# Altium PCB 28Pins_Project_V111_PCB.PcbDoc
Units mm, origin at the board's own origin, x right, y up, seen from the top; angles counter-clockwise.
Board outline 68.71 x 53.34 mm, 2 copper layers (Top Layer, Bottom Layer); 107 components, 66 nets, 325 pads, 25 vias.
Unrouted connection lines stored in the file: 146.
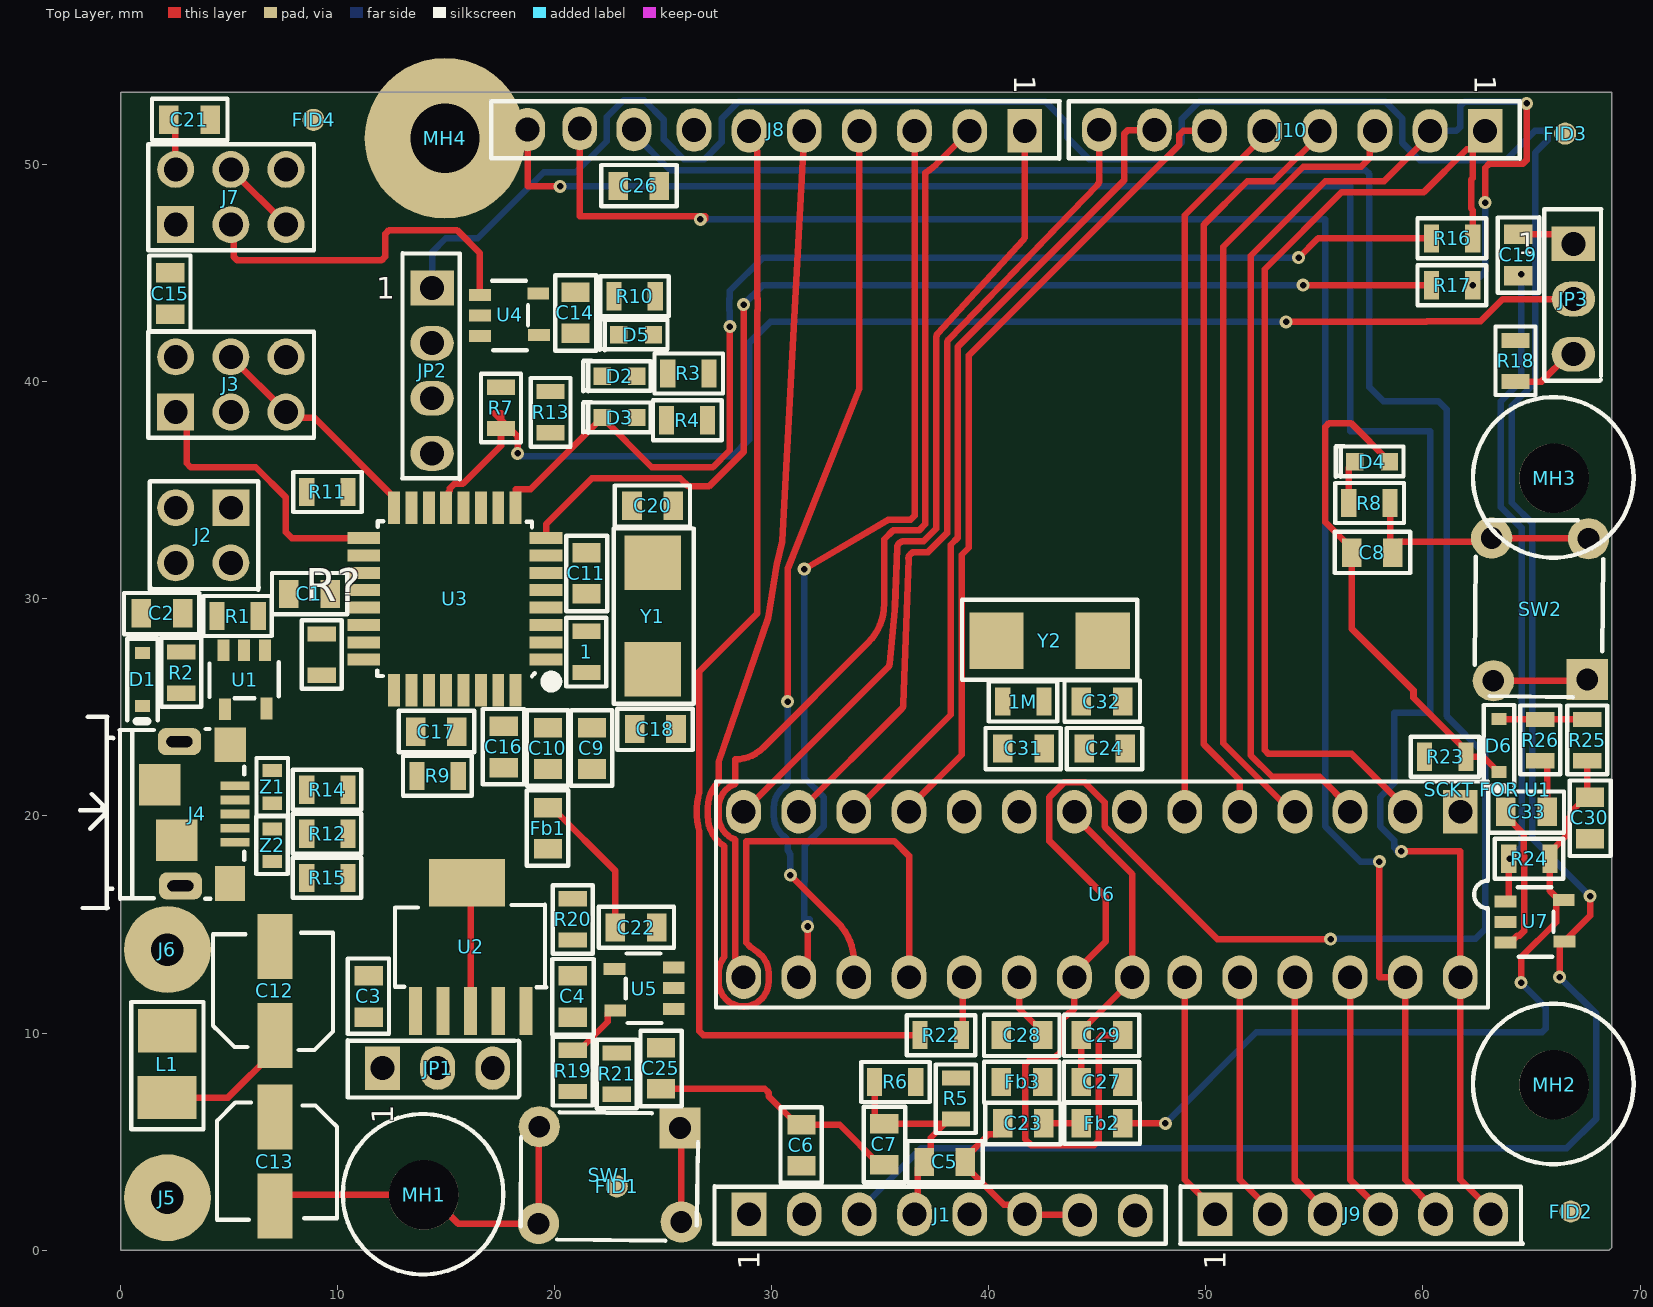
[diagram p0: Top Layer view]
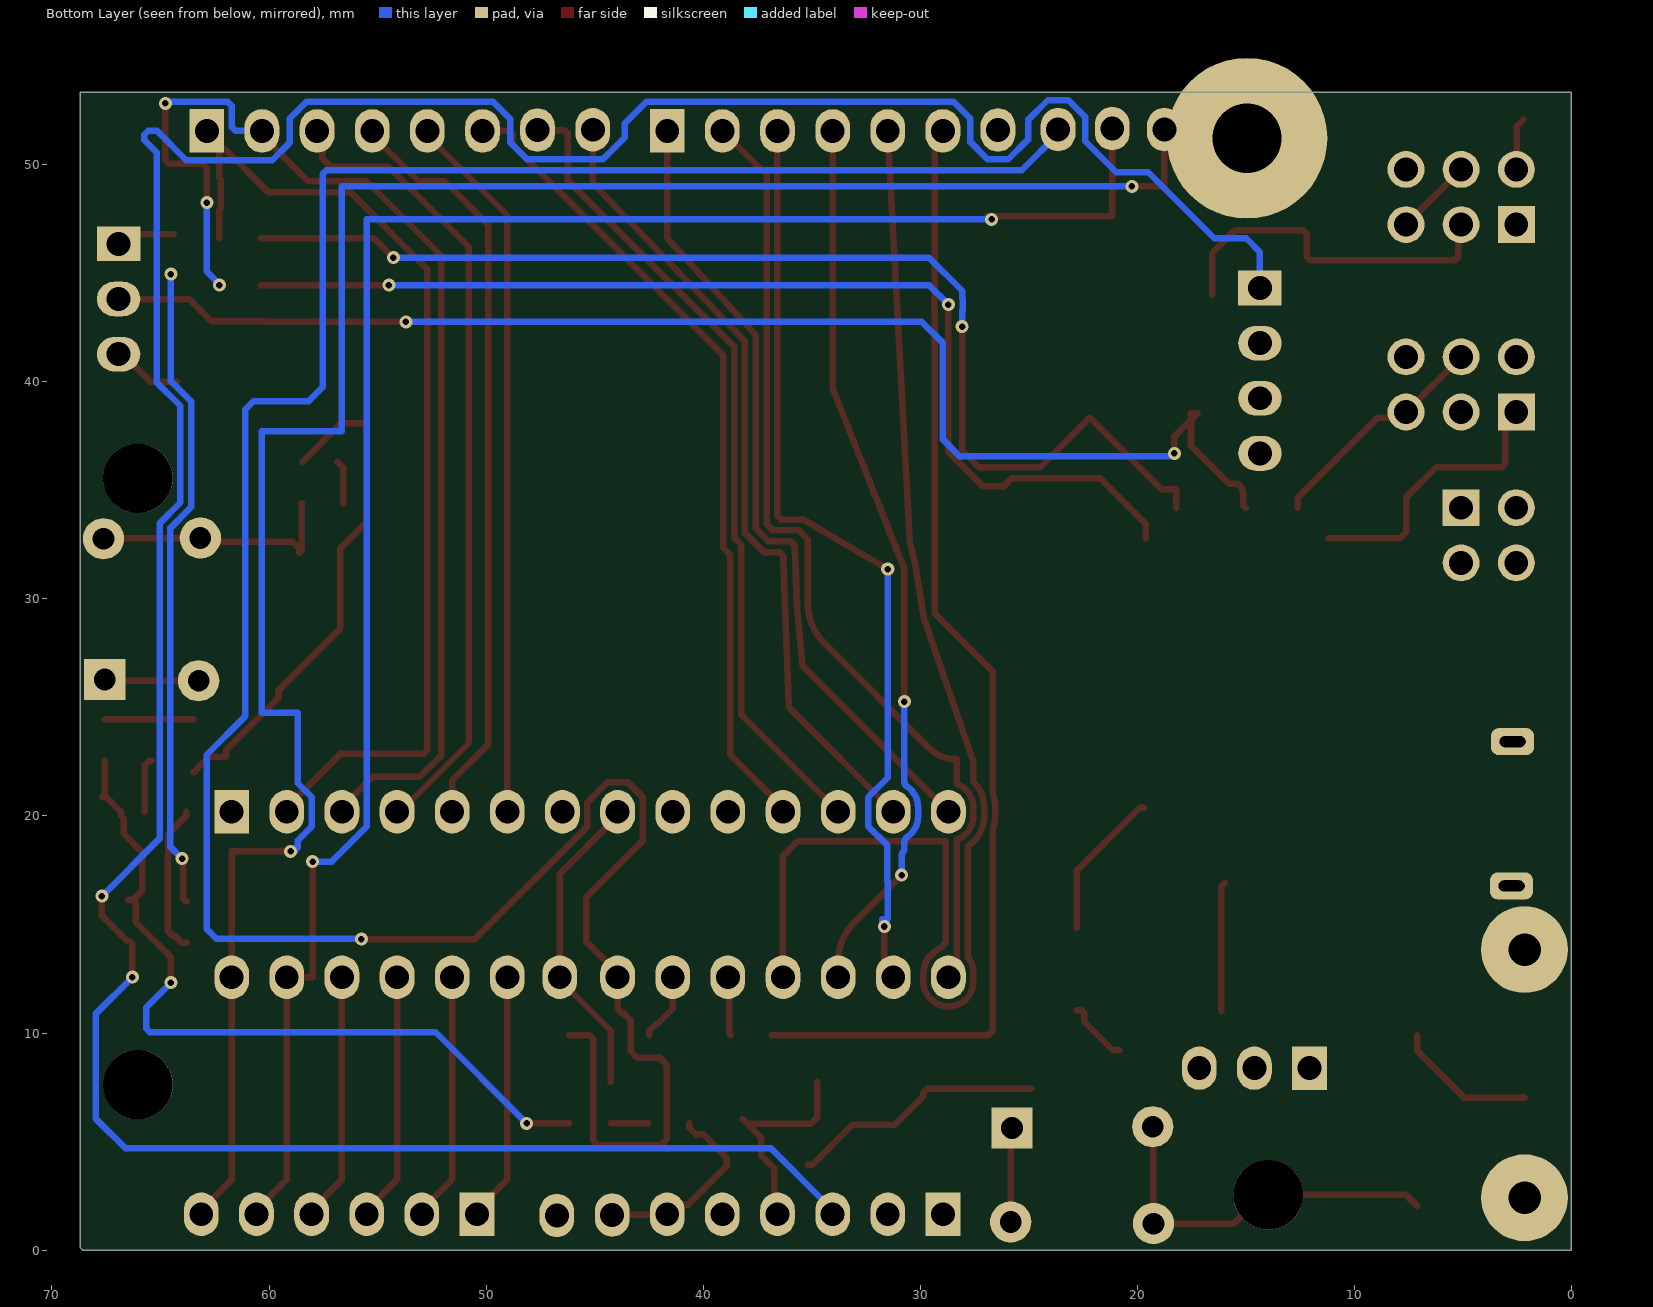
[diagram p1: Bottom Layer view, seen from below]

## Layer stack, top to bottom
Top Solder: solder mask 0.0102, Solder Resist, Dk 3.5
Top Layer: signal copper 0.0356
Dielectric 1: dielectric 0.32, FR-4, Dk 4.8
Bottom Layer: signal copper 0.0356
Bottom Solder: solder mask 0.0102, Solder Resist, Dk 3.5

## Board outline
0,0 68.58,0 68.707,0.127 68.707,53.34 0,53.34

## Design rules (kind name [scope] priority, off if disabled: settings)
Clearance [All] p1: gap=0.2 ignorepadtopadclearanceinfootprint=FALSE
ComponentClearance [All] p1: gap=0.254 collisioncheckmode=3 verticalgap=0.2 showdistances=FALSE
HoleSize [All] p1: absolutevalues=TRUE maxlimit=10 minlimit=0.2 maxpercent=80.000 minpercent=20.000
HoleToHoleClearance [All] p1: gap=0.3 allowstackedmicrovias=TRUE
MinimumSolderMaskSliver [All] p1: minsoldermaskwidth=0.1
PolygonConnect [All] p1: connectstyle=Relief reliefconductorwidth=0.254 reliefentries=4 polygonreliefangle="90 Angle" airgapwidth=0.254
RoutingVias [All] p1: holewidth=0.3 width=0.6 viastyle="Through Hole" minholewidth=0.3 minwidth=0.6 maxholewidth=0.3 maxwidth=0.6
SilkToSilkClearance [All] p1: silktosilkclearance=0.1
SilkToSolderMaskClearance [IsPad] p1: minsilkscreentomaskgap=0.1 clearancetoexposedcopper=TRUE
SolderMaskExpansion [All] p1: expansion=0.1 istentingtop=FALSE
Width [All] p1: maxlimit=0.5 minlimit=0.3 preferedwidth=0.3
24 further rules are at their usual default settings.

## Components (designator, comment, footprint, x,y, rotation, side; value= is the part's Value field where it differs from the comment)
1 "R?" R0805 21.463,27.559 r90 top
1M "R?" R0805 41.59,25.273 r0 top
C1 "100nF" "C0805 footprint" 8.702,30.226 r180 top
C2 "100nF" "C0805 footprint" 1.905,29.337 r0 top
C3 "10 µF/16 V" "C0805 footprint" 11.43,11.684 r270 top
C4 "10 µF/16 V" "C0805 footprint" 20.828,11.684 r90 top
C5 "100nF" "C0805 footprint" 37.973,4.064 r180 top
C6 "100nF" "C0805 footprint" 31.369,4.826 r270 top
C7 "100nF" "C0805 footprint" 35.179,4.877 r90 top
C8 "10 µF/16 V" "C0805 footprint" 57.658,32.131 r180 top
C9 "10 µF/16 V" "C0805 footprint" 21.717,23.114 r270 top
C10 "100nF" "C0805 footprint" 19.685,23.114 r270 top
C11 "100nF" "C0805 footprint" 21.463,31.181 r90 top
C12 "100u/10V" C_ALU_C_SIZE 7.112,11.938 r90 top
C13 "100u/10V" C_ALU_C_SIZE 7.112,4.082 r270 top
C14 "100nF" "C0805 footprint" 20.955,43.18 r90 top
C15 "100nF" "C0805 footprint" 2.286,44.069 r270 top
C16 "100nF" "C0805 footprint" 17.653,23.18 r270 top
C17 "1uf/25V" "C0805 footprint" 14.544,23.876 r180 top
C18 "18p" "C0805 footprint" 24.638,24.003 r0 top
C19 "100nF" "C0805 footprint" 64.389,45.847 r90 top
C20 "18p" "C0805 footprint" 24.511,34.29 r0 top
C21 "100nF" "C0805 footprint" 3.175,52.07 r180 top
C22 "100nF" "C0805 footprint" 23.749,14.859 r180 top
C23 "10 µF/16 V" "C0805 footprint" 41.59,5.842 r0 top
C24 "100nF" "C0805 footprint" 45.339,23.114 r0 top
C25 "100nF" "C0805 footprint" 24.892,8.382 r90 top
C26 "10 µF/16 V" "C0805 footprint" 23.876,49.022 r180 top
C27 "10 µF/16 V" "C0805 footprint" 45.212,7.747 r0 top
C28 "100nF" "C0805 footprint" 41.529,9.906 r0 top
C29 "100nF" "C0805 footprint" 45.212,9.906 r0 top
C30 "100nF" "C0805 footprint" 67.691,19.907 r90 top
C31 "18p" "C0805 footprint" 41.595,23.114 r0 top
C32 "18p" "C0805 footprint" 45.212,25.273 r180 top
C33 "100nF" "C0805 footprint" 64.77,20.193 r0 top
D1 "BAT54HT1G" SOD323 1.016,26.289 r90 top
D2 "Orange" LED_0603 22.987,40.259 r0 top
D3 "Orange" LED_0603 22.987,38.354 r0 top
D4 "Green" LED_0603 57.658,36.322 r0 top
D5 "Orange" LED_0603 23.749,42.164 r0 top
D6 "BAT54HT1G" SOD323 63.5,23.241 r90 top
Fb1 "MPZ2012S601AT000" "C0805 footprint" 19.685,19.431 r270 top
Fb2 "MPZ2012S601AT000" "C0805 footprint" 45.212,5.842 r180 top
Fb3 "MPZ2012S601AT000" "C0805 footprint" 41.529,7.747 r0 top
FID1 "FID_1MMC" FID_40x120D 22.86,2.935 r90 top
FID2 "FID_1MMC" FID_40x120D 66.802,1.778 r180 top
FID3 "FID_1MMC" FID_40x120D 66.548,51.435 r180 top
FID4 "FID_1MMC" FID_40x120D 8.89,52.07 r180 top
J1 "HDR FMALE 1x8 2.54mm" Hdr_Female_1x8_2.54mm 41.656,1.651 r90 top locked
J2 "HDR_2x2" HDR_2x2_2.54MM 5.08,34.2 r270 top
J3 "HDR 2x3" HDR_2x3_2.54MM 2.54,38.608 r90 top locked
J4 "10118193-0001LF" 10118193 3.537,20.1 r270 top locked
J5 "4MMx1.5MM" D_WITH_HOLE_4MMx1.5MM 2.917,1.044 r0 top
J6 "4MMx1.5MM" D_WITH_HOLE_4MMx1.5MM 2.917,12.474 r0 top
J7 "HDR 2x3" HDR_2x3_2.54MM 2.54,47.244 r90 top locked
J8 "Header pin 10 2.54mm" Hdr_Female_1x10_2.54mm 28.956,51.562 r270 top locked
J9 "HDR FMALE 1x6 2.54mm" Hdr_Female_1x6_2.54mm 63.119,1.651 r90 top locked
J10 "HDR FMALE 1x8 2.54mm" Hdr_Female_1x8_2.54mm 50.165,51.562 r270 top locked
JP1 "HDR_1X3" Hdr_Female_1x3_2.54mm 24.765,8.382 r90 top locked
JP2 "HDR_1x4" Hdr_1x4_2.54mm 14.351,31.623 r0 top locked
JP3 "HDR_1X3" Hdr_Female_1x3_2.54mm 66.929,33.655 r0 top locked
L1 "2u2/2A" C1210_IND 2.159,8.509 r90 top
MH1 "MH_7.4MMNC_3.2MMD" MH_7.4MMNC_3.2MMD 13.97,2.54 r0 top locked
MH2 "MH_7.4MMNC_3.2MMD" MH_7.4MMNC_3.2MMD 66.04,7.62 r0 top locked
MH3 "MH_7.4MMNC_3.2MMD" MH_7.4MMNC_3.2MMD 66.04,35.56 r0 top locked
MH4 "MH_7.4MMC_3.2MMD" MH_7.4MMD_3.2MMD 15.24,50.8 r0 top locked
R1 "10K" R0805 5.395,29.21 r0 top
R2 "22R" R0805 2.794,26.604 r270 top
R3 "560" R0805 26.162,40.386 r180 top
R4 "560" R0805 26.096,38.227 r180 top
R5 "0R" R0805 38.481,6.985 r90 top
R6 "0R" R0805 35.687,7.747 r180 top
R7 "100k" R0805 17.526,38.801 r90 top
R8 "560" R0805 57.531,34.417 r180 top
R9 "0R" R0805 14.605,21.844 r0 top
R10 "560" R0805 23.683,43.942 r0 top
R11 "22R" R0805 9.525,34.925 r180 top
R12 "22R" R0805 9.525,19.177 r0 top
R13 "10K" R0805 19.812,38.608 r90 top
R14 "22R" R0805 9.525,21.209 r0 top
R15 "0R" R0805 9.525,17.145 r0 top
R16 "1k" R0805 61.341,46.609 r0 top
R17 "1k" R0805 61.341,44.45 r0 top
R18 "1k" R0805 64.262,40.96 r270 top
R19 "10K" R0805 20.828,8.255 r90 top
R20 "560" R0805 20.828,15.24 r90 top
R21 "22R" R0805 22.86,8.128 r90 top
R22 "22R" R0805 37.785,9.906 r180 top
R23 "10K" R0805 61.026,22.733 r0 top
R24 "10K" R0805 64.897,18.034 r0 top
R25 "10K" R0805 67.564,23.495 r270 top
R26 "22R" R0805 65.405,23.495 r270 top
R? "10K" R0805 9.271,27.432 r270 top
"SCKT FOR U1" "28-Dip Socket" 28_DIP_7.62MM_SOCKET 62.992,21.209 r270 top locked
SW1 "1825910-6" 1825910-6 21.463,2.574 r0 top
SW2 "1825910-6" 1825910-6 64.517,30.6 r270 top
U1 "SN74AHC1G09DBVR" DBV_SOT_23_5 5.695,26.289 r270 top
U2 "TL1963A-33DCQR" "DCQ (R-PDSO-G6)" 16.129,13.97 r90 top
U3 "*ATMEGA16U2-AU" TQFP32 15.4,30 r180 top locked
U4 "SN74AHC1G09DBVR" DBV_SOT_23_5 17.907,43.053 r0 top
U5 "SN74AHC1G09DBVR" DBV_SOT_23_5 24.13,12.065 r180 top
U6 "ATMEGA328P-PU" 28PINS_DIP28 61.722,20.193 r270 top locked
U7 "SN74AHC1G09DBVR" DBV_SOT_23_5 65.151,15.113 r0 top
Y1 "ABM7-16.000MHZ-D2Y-T" ABM7_v1_1_BIG 24.511,29.21 r90 top
Y2 "ABM7-16.000MHZ-D2Y-T" ABM7_v1_1_BIG 42.799,28.067 r180 top
Z1 "CG0603MLC-05E" R0603 6.985,21.336 r270 top
Z2 "CG0603MLC-05E" R0603 6.985,18.657 r90 top

## Footprints (in the part's own frame and the unit in brackets; to place one, negate y for a bottom-side part, rotate by r counter-clockwise, add the part's x,y. Pads: shape width x height; smd on the part's side, far side on the other; paste and mask are expansions set on the pad)
28_DIP_7.62MM_SOCKET [mm]
  body extent -0.06,-35.42 10.04,0.08, height 4.2
28PINS_DIP28 [mm]
  rect 2x1.6 hole 1.1: 1(0,0)
  oval 2x1.6 hole 1.1: 2(0,-2.54) 3(0,-5.08) 4(0,-7.62) 5(0,-10.16) 6(0,-12.7) 7(0,-15.24) 8(0,-17.78) 9(0,-20.32) 10(0,-22.86) 11(0,-25.4) 12(0,-27.94) 13(0,-30.48) 14(0,-33.02) 15(7.62,-33.02) 16(7.62,-30.48) 17(7.62,-27.94) 18(7.62,-25.4) 19(7.62,-22.86) 20(7.62,-20.32) 21(7.62,-17.78) 22(7.62,-15.113) 23(7.62,-12.7) 24(7.62,-10.16) 25(7.62,-7.62) 26(7.62,-5.08) 27(7.62,-2.54) 28(7.62,0)
  silkscreen extent -1.4,-34.29 9.02,1.27, body extent -0.13,-34.73 7.75,1.21, height 7.55
1825910-6 [mm]
  rect 1.9x1.9 hole 1: 1(4.311,3.047)
  round 1.9 hole 1: 2(4.37,-1.276) 3(-2.173,3.111) 4(-2.21,-1.352)
  silkscreen extent -3.02,-2.14 5.14,3.78, body extent -2.78,-2.14 5.02,3.85, height 5
10118193 [mm]
  rect 0.4x1.35 smd: 1(-1.287,1.731) 2(-0.637,1.731) 3(0.013,1.731) 4(0.663,1.731) 5(1.313,1.731)
  rect 1.6x1.45 smd: 6(-3.187,1.506)
  rect 1.6x1.4 smd: 7(3.213,1.506)
  rrect60% 1.25x2 hole 0.5 slot 1.2 at 90 deg: 8(-3.322,-0.823) 9(3.322,-0.777)
  rect 1.9x1.9 smd: 10(-1.341,-1.731) 11(1.213,-0.944)
  silkscreen extent -4.49,-5.41 4.36,2.16, body extent -3.92,-3.61 3.94,2.17, height 2.88
ABM7_v1_1_BIG [mm]
  rect 2.5x2.6 smd: 1(-2.45,0) 2(2.45,0)
  silkscreen extent -4.03,-1.89 4.03,1.79, body extent -2.99,-1.78 3,1.72, height 1.41
"C0805 footprint" [mm]
  rect 0.9x1.3 smd: 1(-0.95,0) 2(0.95,0)
  silkscreen extent -1.75,-0.97 1.73,0.94, body extent -0.95,-0.72 1.05,0.73, height 1.21
C1210_IND [mm]
  rect 2x2.7 smd: 1(-1.479,0.017) 2(1.6,0)
  silkscreen extent -2.95,-1.66 2.92,1.67, body extent -2.11,-1.04 2.03,0.93, height 2.7
C_ALU_C_SIZE [mm]
  rect 3x1.6 smd: 1(-2.05,0) 2(2.05,0)
  silkscreen extent -2.72,-2.67 2.69,2.86, body extent -3.02,-2.57 2.88,2.73, height 5.41
D_WITH_HOLE_4MMx1.5MM [mm]
  round 4 hole 1.5: 1(-0.758,1.369)
DBV_SOT_23_5 [mm]
  rect 1x0.55 smd: 1(-1.35,0.95) 2(-1.35,0) 3(-1.35,-0.95) 4(1.373,-0.889) 5(1.334,1.021)
  silkscreen extent -0.79,-1.6 0.86,1.6, body extent -1.5,-1.47 1.52,1.58, height 1.46
"DCQ (R-PDSO-G6)" [mm]
  rect 2.2x0.6 smd: 1(-2.96,2.54) 2(-2.96,1.27) 3(-2.96,0) 4(-2.96,-1.27) 5(-2.96,-2.54)
  rect 2.2x3.5 smd: 6(2.956,0.164)
  silkscreen extent -1.86,-3.48 1.95,3.48, body extent -3.76,-3.27 3.5,3.28, height 1.79
FID_40x120D [mil]
  round 40 smd paste-40 mask+40: 1(0,0)
Hdr_1x4_2.54mm [mm]
  rect 2x1.6 hole 1.1: 1(0,12.7)
  oval 2x1.6 hole 1.1: 2(0,10.16) 3(0,7.62) 4(0,5.08)
  silkscreen extent -1.39,3.88 1.28,14.31, body extent -1.22,4.18 1.19,13.94, height 5.47
HDR_2x2_2.54MM [mm]
  rect 1.7x1.7 hole 1.1: 1(0,0)
  round 1.7 hole 1.1: 2(2.54,0) 3(0,-2.54) 4(2.54,-2.54)
  silkscreen extent -1.21,-3.73 3.78,1.28, body extent -1.29,-3.7 3.79,1.3, height 7.5
HDR_2x3_2.54MM [mm]
  rect 1.7x1.7 hole 1.1: 1(0,0)
  round 1.7 hole 1.1: 2(2.54,0) 3(0,-2.54) 4(0,-5.08) 4(2.54,-2.54) 6(2.54,-5.08)
  silkscreen extent -1.18,-6.37 3.7,1.27, body extent -1.3,-6.4 3.78,1.22, height 8.15
Hdr_Female_1x3_2.54mm [mm]
  rect 2x1.6 hole 1.1: 1(0,12.7)
  oval 2x1.6 hole 1.1: 2(0,10.16) 3(0,7.62)
  silkscreen extent -1.35,6.4 1.28,14.29, body extent -1.21,6.62 1.2,13.84, height 5.47
Hdr_Female_1x6_2.54mm [mm]
  rect 2x1.6 hole 1.1: 1(0,12.7)
  oval 2x1.6 hole 1.1: 2(0,10.16) 3(0,7.62) 4(0,5.08) 5(0,2.54) 6(0,0)
  silkscreen extent -1.36,-1.49 1.28,14.31, body extent -1.26,-1.42 1.24,14.22, height 8.51
Hdr_Female_1x8_2.54mm [mm]
  rect 2x1.6 hole 1.1: 1(0,12.7)
  oval 2x1.6 hole 1.1: 2(0,10.16) 3(0,7.62) 4(0,5.08) 5(0,2.54) 6(0,0) 7(-0.036,-2.535) 8(-0.053,-5.083)
  silkscreen extent -1.36,-6.49 1.28,14.31, body extent -1.34,-6.39 1.16,14.33, height 8.31
Hdr_Female_1x10_2.54mm [mm]
  rect 2x1.6 hole 1.1: 1(0,12.7)
  oval 2x1.6 hole 1.1: 2(0,10.16) 3(0,7.62) 4(0,5.08) 5(0,2.54) 6(0,0) 7(-0.042,-2.537) 8(-0.059,-5.308) 9(-0.103,-7.799) 10(-0.059,-10.203)
  silkscreen extent -1.36,-11.87 1.28,14.31, body extent -1.24,-11.7 1.26,14.1, height 8.31
LED_0603 [mm]
  rect 0.8x0.8 smd: 1(-0.8,0) 2(0.8,0)
  silkscreen extent -1.68,-0.71 1.44,0.71, body extent -0.97,-0.4 0.73,0.4, height 0.65
MH_7.4MMD_3.2MMD [mm]
  round 7.4 hole 3.2: 1(-0.294,0.418)
MH_7.4MMNC_3.2MMD [mm]
  round 3.2 hole 3.2 unplated: 1(0,0)
  silkscreen extent -3.73,-3.66 3.67,3.73
R0603 [mm]
  rect 0.6x0.9 smd: 1(-0.75,0) 2(0.75,0)
  silkscreen extent -1.33,-0.72 1.33,0.73, body extent -0.62,-0.41 0.98,0.43, height 0.78
R0805 [mm]
  rect 0.7x1.3 smd: 1(-0.95,0) 2(0.95,0)
  silkscreen extent -1.59,-0.92 1.57,0.92, body extent -1.02,-0.57 0.98,0.63, height 0.71
SOD323 [mil]
  rect 22x27 smd: 1(-48,0) 2(48,0)
  silkscreen extent -76,-28 74,28, body extent -49,-24 49,25, height 35
TQFP32 [mm]
  rect 1.5x0.55 smd mask+0.06: 1(-4.2,2.8) 2(-4.2,2) 3(-4.2,1.2) 4(-4.2,0.4) 5(-4.2,-0.4) 6(-4.2,-1.2) 7(-4.2,-2) 8(-4.2,-2.8) 17(4.2,-2.8) 18(4.2,-2) 19(4.2,-1.2) 20(4.2,-0.4) 21(4.2,0.4) 22(4.2,1.2) 23(4.2,2) 24(4.2,2.8)
  rect 0.55x1.5 smd mask+0.06: 9(-2.8,-4.2) 10(-2,-4.2) 11(-1.2,-4.2) 12(-0.4,-4.2) 13(0.4,-4.2) 14(1.2,-4.2) 15(2,-4.2) 16(2.8,-4.2) 25(2.8,4.2) 26(2,4.2) 27(1.2,4.2) 28(0.4,4.2) 29(-0.4,4.2) 30(-1.2,4.2) 31(-2,4.2) 32(-2.8,4.2)
  silkscreen extent -4.7,-3.58 3.58,4.06, body extent -4.57,-4.6 4.63,4.6, height 1.2

## Part data
1 1M: "Res Thick Film 0805 1M Ohm 1% 0.125W(1/8W) ±100ppm/C Pad SMD T/R", Case/Package=0805, Manufacturer="Yageo Phycomp", Manufacturer Part Number=RC0805FR-071ML, Max Operating Temperature=155°C, Min Operating Temperature=-55°C, Power Rating=125mW, Resistance=1MR, Supplier Part Number 1=311-1.00MCRCT-ND, Temperature Coefficient=100ppm/°C, Tolerance=1%, Voltage Rating (DC)=150V, Category="Chip SMD Resistors", ComponentLink1Description=http://www.mouser.com/ds/2/447/Yageo_08112016_RC0805-968729.pdf?src-supplier=Mouser, ComponentLink1URL=http://www.mouser.com/ds/2/447/Yageo_08112016_RC0805-968729.pdf?src-supplier=Mouser, ComponentLink2Description=http://www.farnell.com/datasheets/2167052.pdf?src-supplier=Farnell, ComponentLink2URL=http://www.farnell.com/datasheets/2167052.pdf?src-supplier=Farnell, ComponentLink3Description=http://www.yageo.com/documents/recent/PYu-RC_Group_51_RoHS_L_10.pdf?src-supplier=Digi-Key, ComponentLink3URL=http://www.yageo.com/documents/recent/PYu-RC_Group_51_RoHS_L_10.pdf?src-supplier=Digi-Key, ComponentLink4Description=http://www.farnell.com/datasheets/2167052.pdf?src-supplier=Newark, ComponentLink4URL=http://www.farnell.com/datasheets/2167052.pdf?src-supplier=Newark, ComponentLink5Description=http://www.farnell.com/datasheets/444164.pdf?src-supplier=Element14, ComponentLink5URL=http://www.farnell.com/datasheets/444164.pdf?src-supplier=Element14, Depth=1.25mm, Height=0.5mm, Lead Free="Lead Free", Length=2mm, Mount="Surface Mount", Number of Pins=2, Packaging="Cut Tape", Pricing 1="1=0.10000, 10=0.04200, 100=0.01690, 1000=0.00759, 2500=0.00659 (USD)", REACH SVHC="No SVHC", RoHS=Yes, Stock 1=588555, Supplier 1=Digi-Key, Width=1.25mm
C1 C2 C5 C6 C7 C10 C11 C14 C15 C16 C19 C21 C22 C24 C25 C28 C29 C30 C33: library part C2012X7R1H104K085AA, "TDK - C2012X7R1H104K085AA - SMD Multilayer Ceramic Capacitor, 0.1 µF, 50 V, 0805 [2012 Metric], ± 10%, X7R, C Series", Case Code (Imperial)=0805, Case Code (Metric)=2012, Dielectric=X7R, Dielectric Material=Ceramic, Manufacturer=TDK, Max Operating Temperature=125°C, Min Operating Temperature=-55°C, Package Quantity=1, Supplier Part Number 1=445-7534-1-ND, Tolerance=10%, Voltage=50V, Capacitance=100nF, Case/Package=0805, Category="Ceramic Capacitors", ComponentLink1Description=https://datasheet.ciiva.com/11788/0900766b80c1bb00-11788128.pdf?src-supplier=RSComponents, ComponentLink1URL=https://datasheet.ciiva.com/11788/0900766b80c1bb00-11788128.pdf?src-supplier=RSComponents, ComponentLink2Description=https://datasheet.ciiva.com/6250/tdkmlcccaprange-6250821.pdf?src-supplier=Digi-Key, ComponentLink2URL=https://datasheet.ciiva.com/6250/tdkmlcccaprange-6250821.pdf?src-supplier=Digi-Key, ComponentLink3Description=https://datasheet.ciiva.com/6250/tdkmlcccaprange-6250824.pdf?src-supplier=Digi-Key, ComponentLink3URL=https://datasheet.ciiva.com/6250/tdkmlcccaprange-6250824.pdf?src-supplier=Digi-Key, ComponentLink4Description=https://datasheet.ciiva.com/24191/e412-c-24191447.pdf?src-supplier=Future+Electronics, ComponentLink4URL=https://datasheet.ciiva.com/24191/e412-c-24191447.pdf?src-supplier=Future+Electronics, ComponentLink5Description=https://datasheet.ciiva.com/23803/1796654-23803035.pdf?src-supplier=Newark, ComponentLink5URL=https://datasheet.ciiva.com/23803/1796654-23803035.pdf?src-supplier=Newark, ComponentLink6Description=https://datasheet.ciiva.com/28602/1571323-28602204.pdf?src-supplier=Element14, ComponentLink6URL=https://datasheet.ciiva.com/28602/1571323-28602204.pdf?src-supplier=Element14, Construction=Flat, Depth=1.25mm, Height=0.85mm, Lead Free="Lead Free", Length=2mm, Manufacturer Part Number=C2012X7R1H104K085AA, Mount="Surface Mount", Number of Pins=2, Packaging="Tape and Reel", Pricing 1="1=0.15000, 10=0.10900, 50=0.06160, 100=0.05100, 500=0.03578, 1000=0.02962 (USD)", Radiation Hardening=No, REACH SVHC="No SVHC", Resistor Type=Ceramic, RoHS=Yes, RoHS Compliant=Yes, Series=C, Stock 1=381078, Supplier 1=Digi-Key, Termination=SMD/SMT, Thickness=0.037inch, Voltage Rating=50V, Voltage Rating (DC)=50V, Weight=0.000194oz, Width=0.049inch
C3 C4 C8 C9 C23 C26 C27: library part C2012X5R1C106M085AC, "TDK - C2012X5R1C106M085AC - SMD Multilayer Ceramic Capacitor, 10 µF, 16 V, 0805 [2012 Metric], ± 20%, X5R, C Series TDK", Capacitance=10uF, Case Code (Imperial)=0805, Case Code (Metric)=2012, Dielectric=X5R, Dielectric Material=Ceramic, Manufacturer=TDK, Max Operating Temperature=85°C, Min Operating Temperature=-55°C, Package Quantity=4000, Supplier Part Number 1=445-7645-1-ND, Tolerance=20%, Voltage=16V, Case/Package=0805, Category="Ceramic Capacitors", ComponentLink1Description=https://datasheet.ciiva.com/24218/c2012x5r1c106m085ac-265002-24218340.pdf?src-supplier=Mouser, ComponentLink1URL=https://datasheet.ciiva.com/24218/c2012x5r1c106m085ac-265002-24218340.pdf?src-supplier=Mouser, ComponentLink2Description=https://datasheet.ciiva.com/11788/0900766b80c1bb00-11788108.pdf?src-supplier=RSComponents, ComponentLink2URL=https://datasheet.ciiva.com/11788/0900766b80c1bb00-11788108.pdf?src-supplier=RSComponents, ComponentLink3Description=https://datasheet.ciiva.com/6290/tdkmlcccaprange-6290487.pdf?src-supplier=Digi-Key, ComponentLink3URL=https://datasheet.ciiva.com/6290/tdkmlcccaprange-6290487.pdf?src-supplier=Digi-Key, ComponentLink4Description=https://datasheet.ciiva.com/6290/tdkmlcccaprange-6290485.pdf?src-supplier=Digi-Key, ComponentLink4URL=https://datasheet.ciiva.com/6290/tdkmlcccaprange-6290485.pdf?src-supplier=Digi-Key, ComponentLink5Description=https://datasheet.ciiva.com/16449/e412-c-16449591.pdf?src-supplier=Future+Electronics, ComponentLink5URL=https://datasheet.ciiva.com/16449/e412-c-16449591.pdf?src-supplier=Future+Electronics, ComponentLink6Description=https://datasheet.ciiva.com/22725/1913358-22725557.pdf?src-supplier=Element14, ComponentLink6URL=https://datasheet.ciiva.com/22725/1913358-22725557.pdf?src-supplier=Element14, ComponentLink7Description=https://datasheet.ciiva.com/23803/1796654-23803021.pdf?src-supplier=Newark, ComponentLink7URL=https://datasheet.ciiva.com/23803/1796654-23803021.pdf?src-supplier=Newark, Construction=Flat, Depth=1.25mm, Height=0.85mm, Lead Free="Lead Free", Length=2mm, Manufacturer Part Number=C2012X5R1C106M085AC, Mount="Surface Mount", Number of Pins=2, Packaging="Tape and Reel", Pricing 1="1=0.29000, 10=0.19800, 50=0.11900, 100=0.10050, 500=0.06876, 1000=0.06084 (USD)", REACH SVHC="No SVHC", Resistor Type=Ceramic, RoHS=Yes, Series=C, Stock 1=117974, Supplier 1=Digi-Key, Termination=SMD/SMT, Thickness=0.037inch, Voltage Rating=16V, Voltage Rating (DC)=16V, Weight=0.000194oz, Width=0.049inch
C12 C13: library part EEE-1AA101WR, "Cap Aluminum 100uF 10V 20% (5 X 5.4mm) SMD 50mA 1000 hr 85°C T/R", Capacitance=100uF, Case/Package=Radial, Manufacturer=Panasonic, Max Operating Temperature=85°C, Min Operating Temperature=-40°C, Package Quantity=1, Ripple Current=50mA, Supplier Part Number 1=1763738, Tolerance=20%, Voltage Rating=10V, Category="Aluminum Electrolytic Capacitors", ComponentLink1Description=https://datasheet.ciiva.com/26945/getdatasheetpartid-169213-26945071.pdf?src-supplier=Verical, ComponentLink1URL=https://datasheet.ciiva.com/26945/getdatasheetpartid-169213-26945071.pdf?src-supplier=Verical, ComponentLink2Description=https://datasheet.ciiva.com/24027/aba0000ce2-40801-24027541.pdf?src-supplier=Mouser, ComponentLink2URL=https://datasheet.ciiva.com/24027/aba0000ce2-40801-24027541.pdf?src-supplier=Mouser, ComponentLink3Description=https://datasheet.ciiva.com/14598/70255710-14598233.pdf?src-supplier=Allied+Electronics, ComponentLink3URL=https://datasheet.ciiva.com/14598/70255710-14598233.pdf?src-supplier=Allied+Electronics, ComponentLink4Description=https://datasheet.ciiva.com/14605/70255710-14605689.pdf?src-supplier=Allied+Electronics, ComponentLink4URL=https://datasheet.ciiva.com/14605/70255710-14605689.pdf?src-supplier=Allied+Electronics, ComponentLink5Description=https://datasheet.ciiva.com/11673/aba0000ce2-11673882.pdf?src-supplier=Avnet, ComponentLink5URL=https://datasheet.ciiva.com/11673/aba0000ce2-11673882.pdf?src-supplier=Avnet, ComponentLink6Description=https://datasheet.ciiva.com/16427/aba0000ce2-16427544.pdf?src-supplier=Future+Electronics, ComponentLink6URL=https://datasheet.ciiva.com/16427/aba0000ce2-16427544.pdf?src-supplier=Future+Electronics, ComponentLink7Description=https://datasheet.ciiva.com/2983/aba0000ce2-2983906.pdf?src-supplier=Avnet, ComponentLink7URL=https://datasheet.ciiva.com/2983/aba0000ce2-2983906.pdf?src-supplier=Avnet, ComponentLink8Description=https://datasheet.ciiva.com/30075/11aba0000ce2-30075303.pdf?src-supplier=Onlinecomponents.com, ComponentLink8URL=https://datasheet.ciiva.com/30075/11aba0000ce2-30075303.pdf?src-supplier=Onlinecomponents.com, Construction=Cylindrical, Contact Plating=Tin, Diameter=5mm, Height=5.4mm, Height - Seated (Max)=0.213inch, Lead Free="Lead Free", Length=5.5mm, Life (Hours)=1000Hour, Manufacturer Part Number=EEE-1AA101WR, Mount="Surface Mount,PCB", Packaging="Tape and Reel", Pricing 1="1000=0.08000, 3000=0.07600 (USD)", Radiation Hardening=No, REACH SVHC=Unknown, Ripple Current (AC)=50mA, RoHS=Yes, RoHS Compliant=Yes, Series=S, Stock 1=1, Supplier 1=RSComponents, Termination=SMD/SMT, Voltage Rating (DC)=10V
C17: library part C2012X5R1E105K125AA, "TDK - C2012X5R1E105K125AA - SMD Multilayer Ceramic Capacitor, 1 µF, 25 V, 0805 [2012 Metric], ± 10%, X5R, C Series", Capacitance=1uF, Case Code (Imperial)=0805, Case Code (Metric)=2012, Dielectric=X5R, Dielectric Material=Ceramic, Manufacturer=TDK, Max Operating Temperature=85°C, Min Operating Temperature=-55°C, Package Quantity=2000, Supplier Part Number 1=445-1419-1-ND, Tolerance=10%, Voltage=25V, Case/Package=0805, Category="Ceramic Capacitors", ComponentLink1Description=https://datasheet.ciiva.com/11787/0900766b80c1bb00-11787608.pdf?src-supplier=RSComponents, ComponentLink1URL=https://datasheet.ciiva.com/11787/0900766b80c1bb00-11787608.pdf?src-supplier=RSComponents, ComponentLink2Description=https://datasheet.ciiva.com/28602/1744655-28602171.pdf?src-supplier=Element14, ComponentLink2URL=https://datasheet.ciiva.com/28602/1744655-28602171.pdf?src-supplier=Element14, ComponentLink3Description=https://datasheet.ciiva.com/15192/getdatasheetpartid-726707-15192140.pdf?src-supplier=Verical, ComponentLink3URL=https://datasheet.ciiva.com/15192/getdatasheetpartid-726707-15192140.pdf?src-supplier=Verical, ComponentLink4Description=https://datasheet.ciiva.com/16449/e412-c-16449595.pdf?src-supplier=Future+Electronics, ComponentLink4URL=https://datasheet.ciiva.com/16449/e412-c-16449595.pdf?src-supplier=Future+Electronics, Construction=Flat, Depth=1.25mm, Height=1.25mm, Lead Free="Lead Free", Length=2mm, Manufacturer Part Number=C2012X5R1E105K125AA, Mount="Surface Mount", Number of Pins=2, Packaging="Tape and Reel", Pricing 1="1=0.23000, 10=0.15800, 50=0.09500, 100=0.08030, 500=0.05492, 1000=0.04858 (USD)", Radiation Hardening=No, REACH SVHC="No SVHC", Resistor Type=Ceramic, RoHS=Yes, RoHS Compliant=Yes, Series=C, Stock 1=297, Supplier 1=Digi-Key, Termination=SMD/SMT, Thickness=0.057inch, Voltage Rating=25V, Voltage Rating (DC)=25V, Weight=0.000194oz, Width=0.049inch
C18 C20 C31 C32: library part C0805C180J5GACTU, "Cap Ceramic 18pF 50V C0G 5% SMD 0805 125C Paper T/R", Capacitance=18pF, Case Code (Imperial)=0805, Case Code (Metric)=2012, Dielectric=C0G, Dielectric Material=Ceramic, Manufacturer=KEMET, Max Operating Temperature=125°C, Min Operating Temperature=-55°C, Package Quantity=1, Supplier Part Number 1=399-C0805C180J5GAC7800CT-ND, Temperature Coefficient=30ppm/°C, Tolerance=5%, Voltage=50V, Case/Package=0805, Category="Ceramic Capacitors", ComponentLink1Description=https://datasheet.ciiva.com/22746/1769375-22746770.pdf?src-supplier=Element14, ComponentLink1URL=https://datasheet.ciiva.com/22746/1769375-22746770.pdf?src-supplier=Element14, ComponentLink2Description=https://datasheet.ciiva.com/26923/getdatasheetpartid-759702-26923980.pdf?src-supplier=Verical, ComponentLink2URL=https://datasheet.ciiva.com/26923/getdatasheetpartid-759702-26923980.pdf?src-supplier=Verical, ComponentLink3Description=https://datasheet.ciiva.com/26847/getdatasheetpartid-385668-26847862.pdf?src-supplier=Verical, ComponentLink3URL=https://datasheet.ciiva.com/26847/getdatasheetpartid-385668-26847862.pdf?src-supplier=Verical, Construction=Flat, Contact Material=Tin, Contact Plating=Tin,Matte, Depth=1.25mm, Dissipation Factor=0.1%, Height=0.78mm, Lead Free="Lead Free", Lead Pitch=0.75mm, Length=2mm, Manufacturer Part Number=C0805C180J5GACTU, Mount="Surface Mount,PCB", Number of Pins=2, Packaging="Tape and Reel", Pricing 1="1=0.12000, 10=0.08600, 50=0.04900, 100=0.04070, 500=0.02852, 1000=0.02361 (USD)", Radiation Hardening=No, REACH SVHC="No SVHC", RoHS=Yes, RoHS Compliant=Yes, Series=C, Stock 1=5035, Supplier 1=Digi-Key, Termination=SMD/SMT, Thickness=0.035inch, Voltage Rating=50V, Voltage Rating (DC)=50V, Width=1.2mm
D1 D6: library part "BAT54HT1G (2)", "Small Signal Schottky Diode, Single, 30 V, 200 Ma, 800 Mv, 600 Ma, 150 C", Average Rectified Current=200mA, Capacitance=10pF, Forward Voltage=800mV, Manufacturer="ON Semiconductor / Fairchild", Max Forward Surge Current (Ifsm)=600mA, Max Operating Temperature=150°C, Max Repetitive Reverse Voltage (Vrrm)=30V, Max Reverse Current=2uA, Min Operating Temperature=-55°C, Package Quantity=3000, Power Dissipation=200mW, Supplier Part Number 1=BAT54HT1GOSTR-ND, Category="Schottky Diodes", ComponentLink1Description=https://datasheet.ciiva.com/4714/bat54ht1-d-72881-4714706.pdf?src-supplier=Mouser, ComponentLink1URL=https://datasheet.ciiva.com/4714/bat54ht1-d-72881-4714706.pdf?src-supplier=Mouser, ComponentLink2Description=https://datasheet.ciiva.com/4452/bat54ht1g-104602-4452889.pdf?src-supplier=Mouser, ComponentLink2URL=https://datasheet.ciiva.com/4452/bat54ht1g-104602-4452889.pdf?src-supplier=Mouser, ComponentLink3Description=https://datasheet.ciiva.com/30479/0900766b811a63a9-30479442.pdf?src-supplier=RSComponents, ComponentLink3URL=https://datasheet.ciiva.com/30479/0900766b811a63a9-30479442.pdf?src-supplier=RSComponents, ComponentLink4Description=https://datasheet.ciiva.com/34301/806549-34301562.pdf?src-supplier=Jameco, ComponentLink4URL=https://datasheet.ciiva.com/34301/806549-34301562.pdf?src-supplier=Jameco, ComponentLink5Description=https://datasheet.ciiva.com/1240/1747983-1240762.pdf?src-supplier=Newark, ComponentLink5URL=https://datasheet.ciiva.com/1240/1747983-1240762.pdf?src-supplier=Newark, ComponentLink6Description=https://datasheet.ciiva.com/915/bat54ht1-d-915445.pdf?src-supplier=Digi-Key, ComponentLink6URL=https://datasheet.ciiva.com/915/bat54ht1-d-915445.pdf?src-supplier=Digi-Key, ComponentLink7Description=https://datasheet.ciiva.com/915/bat54ht1-d-915444.pdf?src-supplier=Digi-Key, ComponentLink7URL=https://datasheet.ciiva.com/915/bat54ht1-d-915444.pdf?src-supplier=Digi-Key, ComponentLink8Description=https://datasheet.ciiva.com/910/bat54ht1g-910499.pdf?src-supplier=Digi-Key, ComponentLink8URL=https://datasheet.ciiva.com/910/bat54ht1g-910499.pdf?src-supplier=Digi-Key, ComponentLink9Description=https://datasheet.ciiva.com/910/bat54ht1g-910498.pdf?src-supplier=Digi-Key, ComponentLink9URL=https://datasheet.ciiva.com/910/bat54ht1g-910498.pdf?src-supplier=Digi-Key, ComponentLink10Description=https://datasheet.ciiva.com/8294/bat54ht1-d-8294645.pdf?src-supplier=Avnet, ComponentLink10URL=https://datasheet.ciiva.com/8294/bat54ht1-d-8294645.pdf?src-supplier=Avnet, ComponentLink11Description=https://datasheet.ciiva.com/910/bat54ht1g-910497.pdf?src-supplier=Digi-Key, ComponentLink11URL=https://datasheet.ciiva.com/910/bat54ht1g-910497.pdf?src-supplier=Digi-Key, ComponentLink12Description=https://datasheet.ciiva.com/8303/bat54ht1g-8303645.pdf?src-supplier=Avnet, ComponentLink12URL=https://datasheet.ciiva.com/8303/bat54ht1g-8303645.pdf?src-supplier=Avnet, ComponentLink13Description=https://datasheet.ciiva.com/915/bat54ht1-d-915443.pdf?src-supplier=Digi-Key, ComponentLink13URL=https://datasheet.ciiva.com/915/bat54ht1-d-915443.pdf?src-supplier=Digi-Key, ComponentLink14Description=https://datasheet.ciiva.com/46429/1727620-46429206.pdf?src-supplier=Element14, ComponentLink14URL=https://datasheet.ciiva.com/46429/1727620-46429206.pdf?src-supplier=Element14, ComponentLink15Description=https://datasheet.ciiva.com/1180/bat54ht1-d-1180252.pdf?src-supplier=Element14, ComponentLink15URL=https://datasheet.ciiva.com/1180/bat54ht1-d-1180252.pdf?src-supplier=Element14, ComponentLink16Description=https://datasheet.ciiva.com/1180/bat54ht1-d-1180251.pdf?src-supplier=Element14, ComponentLink16URL=https://datasheet.ciiva.com/1180/bat54ht1-d-1180251.pdf?src-supplier=Element14, ComponentLink17Description=https://datasheet.ciiva.com/17020/bat54ht1g-17020445.pdf?src-supplier=Future+Electronics, ComponentLink17URL=https://datasheet.ciiva.com/17020/bat54ht1g-17020445.pdf?src-supplier=Future+Electronics, ComponentLink18Description=https://datasheet.ciiva.com/48686/001262925-da-01-en-diode-schottky-30v-bat54ht1g-sod-323-fsc-48686266.pdf?src-supplier=Conrad, ComponentLink18URL=https://datasheet.ciiva.com/48686/001262925-da-01-en-diode-schottky-30v-bat54ht1g-sod-323-fsc-48686266.pdf?src-supplier=Conrad, Contact Plating=Tin,Matte, Current Rating=200mA, Element Configuration=Single, Forward Current=200mA, Height=1mm, Lead Free="Lead Free", Length=1.8mm, Manufacturer Part Number=BAT54HT1G, Max Reverse Leakage Current=2uA, Max Reverse Voltage (DC)=30V, Max Surge Current=600mA, Mount="Surface Mount", Number of Pins=2, Output Current=200mA, Packaging="Tape and Reel", Peak Non-Repetitive Surge Current=600mA, Polarity=Standard, Pricing 1="3000=0.04267, 6000=0.03710, 15000=0.03153, 30000=0.03063 (USD)", Radiation Hardening=No, REACH SVHC="No SVHC", Recovery Time=5ns, Reverse Recovery Time=5ns, Reverse Voltage=30V, RoHS=Yes, RoHS Compliant=Yes, Stock 1=112, Supplier 1=Digi-Key, Voltage Rating (DC)=30V, Width=1.35mm